# Altium PCB ControlBoard.PcbDoc (part 1 of 3) (continued)
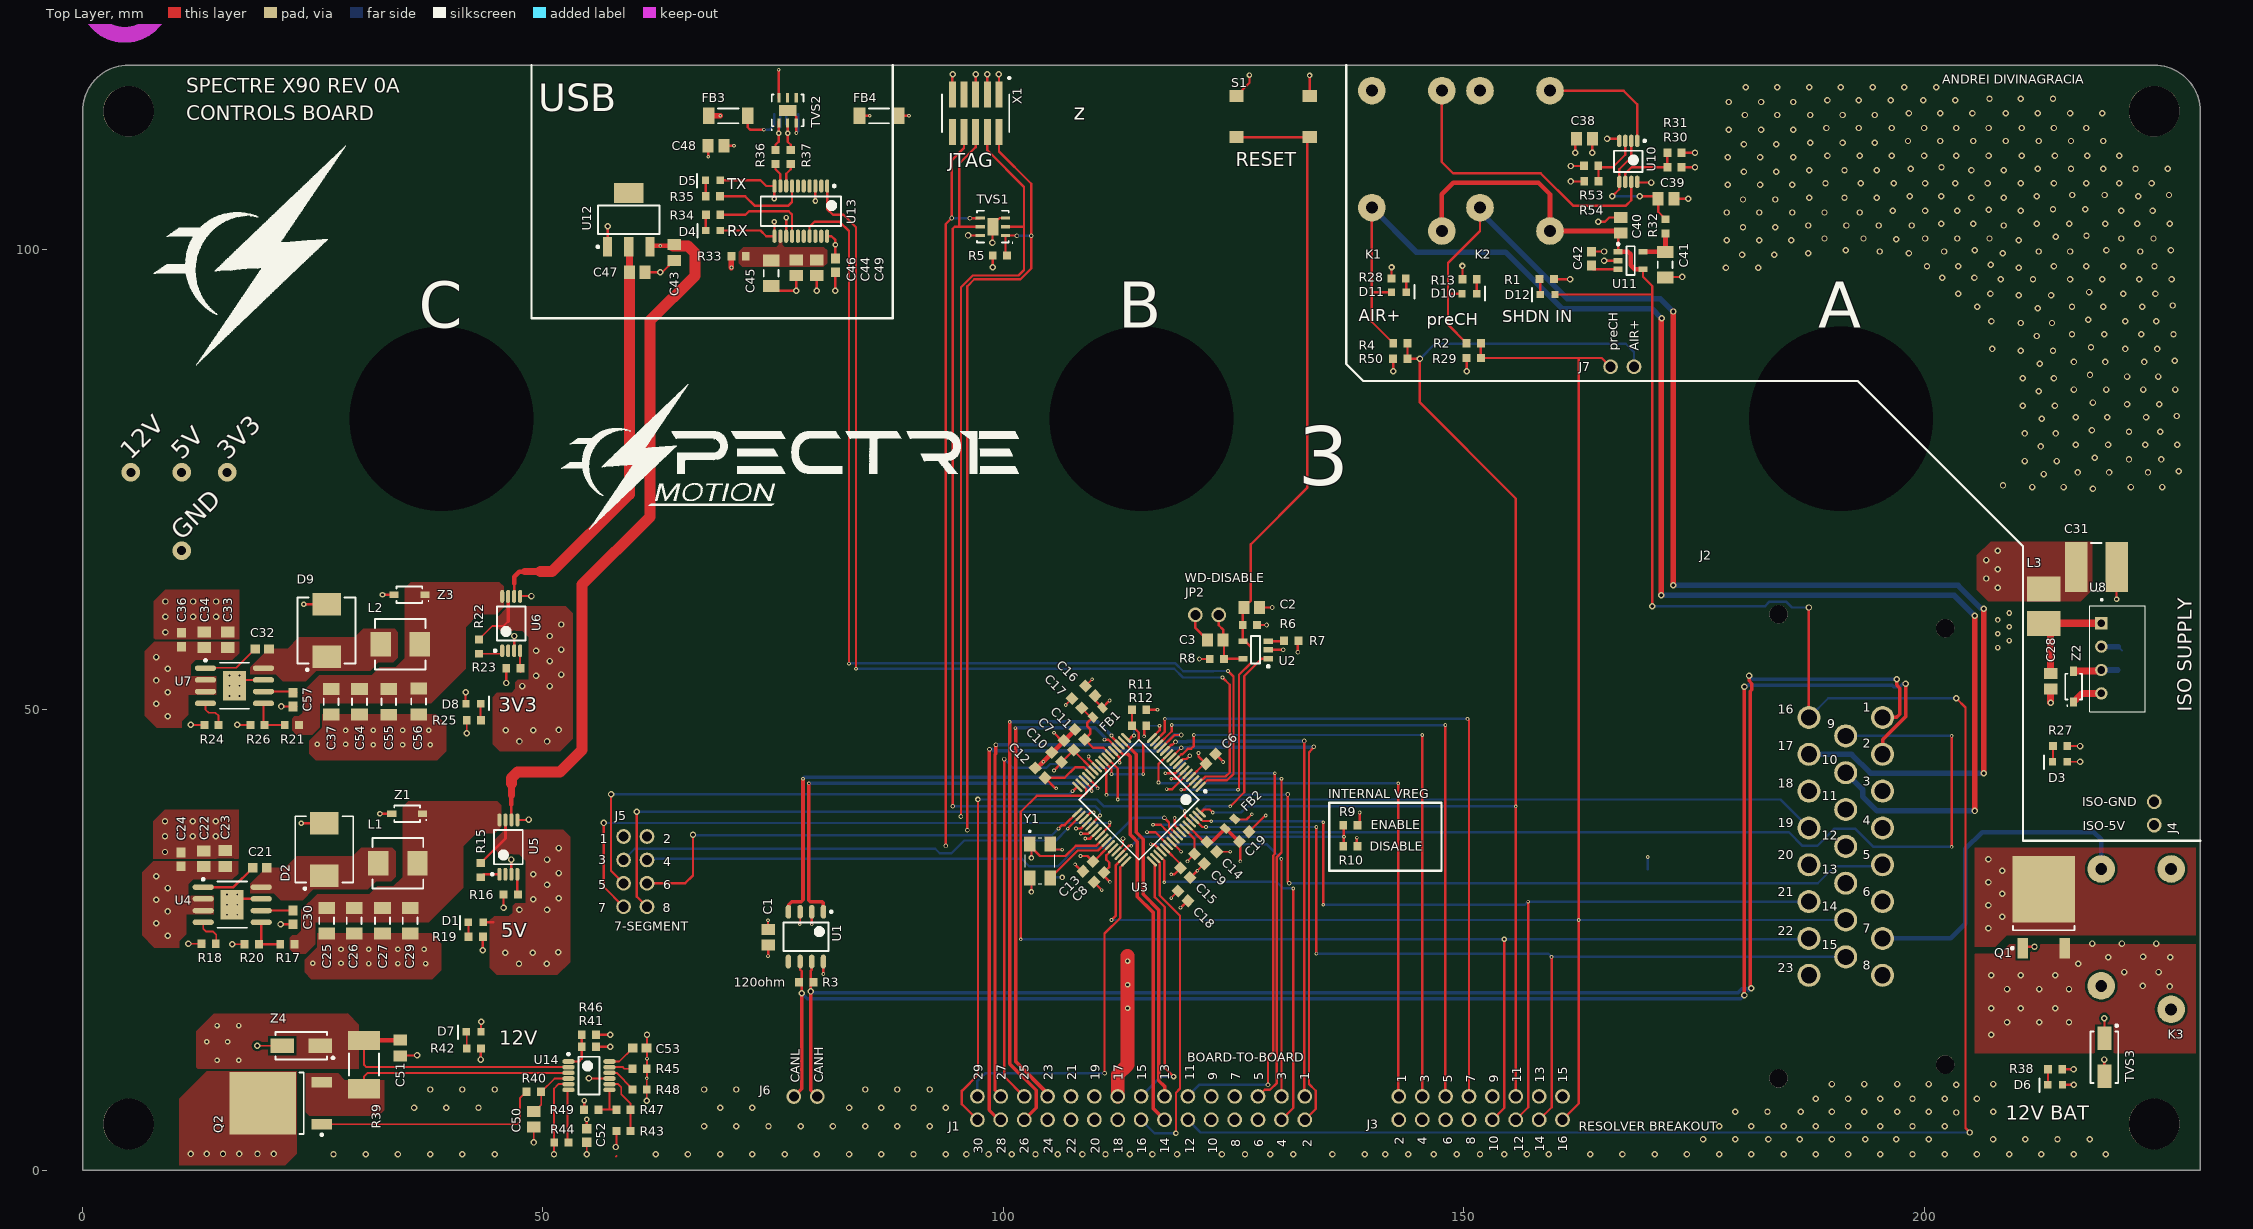
[diagram p0: Top Layer view]
## Components (designator, comment, footprint, x,y, rotation, side; value= is the part's Value field where it differs from the comment) (continued)
R10 "0R" RES-0603 137.7,35.162 r0 top
R11 "10K" RES-0603 114.75,50 r0 top
R12 "10K NTC" RES-0603 114.75,48.25 r180 top
R13 "2K2" RES-0603 150.645,96.744 r0 top
R14 "10K" RES-0603 170,31.895 r90 bottom
R15 "1K" RES-0603 43.25,32.57 r90 top
R16 "1K" RES-0603 46.5,29.92 r0 top
R17 "100K" RES-0603 22.25,24.522 r180 top
R18 "49K9" RES-0603 13.68,24.585 r0 top
R19 "1K" RES-0603 42.7,25.33 r180 top
R20 "17K8" RES-0603 18.375,24.522 r0 top
R21 "102K" RES-0603 22.725,48.326 r0 top
R22 "1K" RES-0603 43.049,56.85 r90 top
R23 "1K" RES-0603 46.799,54.5 r0 top
R24 "49K9" RES-0603 14,48.342 r0 top
R25 "1K" RES-0603 42.5,48.85 r0 top
R26 "30K" RES-0603 19,48.342 r0 top
R27 "1K" RES-0603 214.775,46.05 r180 top
R28 "2K2" RES-0603 142.945,96.838 r0 top
R29 "22.1K" RES-0603 151.1,88.2 r0 top
R30 "3K" RES-0603 172.904,108.925 r0 top
R31 "5K1" RES-0603 172.904,110.5 r180 top
R32 "499K" RES-0603 171.929,102.5 r90 top
R33 "0R" RES-0603 71.25,99.25 r180 top
R34 "270R" RES-0603 68.475,103.75 r180 top
R35 "270R" RES-0603 68.45,105.75 r180 top
R36 "27R" RES-0603 75.26,110.025 r270 top
R37 "27R" RES-0603 76.91,110.025 r270 top
R38 "2K2" RES-0603 214.246,10.95 r180 top
R39 "25mR" RES-2512 30.575,11.45 r270 top
R40 "10R" RES-0603 49,8.5 r180 top
R41 "62K" RES-0603 55,13.4 r0 top
R42 "2K2" RES-0603 42.5,13.205 r180 top
R43 "200K" RES-0603 58.75,4.25 r180 top
R44 "0R" RES-0603 52,3 r180 top
R45 "0R" RES-0603 60.5,11 r180 top
R46 "5K1" RES-0603 55,14.69 r0 top
R47 "7K5" RES-0603 58.75,6.54 r0 top
R48 "0R" RES-0603 60.5,8.75 r180 top
R49 "20K" RES-0603 55.25,6.54 r0 top
R50 "22.1K" RES-0603 143.118,88.1 r0 top
R53 "2K2" RES-0603 163.854,109.074 r180 top
R54 "5K1" RES-0603 163.879,107.4 r0 top
S1 "PTS645SM43SMTR92LFS" PUSH_BUTTON 129.297,114.428 r180 top
TVS1 "TVS-4-5.5V-Bi" TVS-DRS-TP-5 98.875,102.457 r180 top
TVS2 "TVS-4-5.5V-Bi" TVS-DRS-TP-5 76.575,115.1 r90 top
TVS3 "39V3" DO-214AC 219.594,12.242 r270 top
U1 "TCAN332DR" 8-SOIC_MCP2561 78.563,25.345 r270 top
U2 "STWD100PYW83F" SOT23-5-WATCHDOG 127.4,56.5 r180 top
U3 "TMS320F280049PMS" 64QFP 115,40 r180 top locked
U4 "LMR14050SSQDDARQ1" "8-SOIC W THRM" 16.25,28.82 r0 top
U5 "TPS2115APWR" 8-TSSOP-POW-SW 46.25,35.07 r90 top
U6 "TPS2115APWR" 8-TSSOP-POW-SW 46.549,59.35 r90 top
U7 "LMR14050SSQDDARQ1" "8-SOIC W THRM" 16.5,52.6 r0 top
U8 "ROE-0505S" ROE-0505S 221.012,55.54 r270 top
U10 "TLV3202AIDGK" 8VSSOP 167.879,109.55 r270 top
U11 "200mA" SOT-753-ldo 168.129,98.775 r0 top
U12 "AZ1117IH-3.3TRG1" SOT223 59.323,103.2 r90 top
U13 "768-1129-1-ND" SSOP-20 78.007,104.15 r270 top
U14 "LT4363CMS" SSOP12-UVOV 55,10.25 r0 top
X1 "FTSH-105-01-F-DV-K" JTAG_50mil_10pin 99.54,116.81 r0 top
X2 "10118192-0001LF" USB_MICRO 76.425,114.675 r0 bottom
Y1 "ECS-200-18-30B-AGN-TR" XTAL-SMD-4 104,33.571 r270 top
Z1 "5V1" SOD-123 35.25,38.7 r180 top
Z2 "5V1" SOD-123 216.25,52.51 r90 top
Z3 "5V1" SOD-123 35.5,62.48 r180 top
Z4 "15V" DO-214AC 23.75,13.5 r180 top

## Footprints (in the part's own frame and the unit in brackets; to place one, negate y for a bottom-side part, rotate by r counter-clockwise, add the part's x,y. Pads: shape width x height; smd on the part's side, far side on the other; paste and mask are expansions set on the pad)
2PIN_HEADER [mm]
  round 1.6 hole 1.1: 1(0,0) 2(2.54,0)
  body extent -1.27,-1.27 3.81,1.27, height 9.5
"8-SOIC W THRM" [mm] "SOIC, 8-Leads, Body 4.90x3.90mm, Pitch 1.27mm, Thermal Pad 3.20x2.50mm, IPC Medium Density"
  oval 2.3x0.6 smd: 1(-3.15,1.905) 2(-3.15,0.635) 3(-3.15,-0.635) 4(-3.15,-1.905) 5(3.15,-1.905) 6(3.15,-0.635) 7(3.15,0.635) 8(3.15,1.905)
  rect 2.5x3.2 smd: 9(0,0)
  silkscreen extent -3.27,-2.5 1.6,2.88, body extent -3.42,-2.5 3.42,2.5, height 1.95
8-SOIC_MCP2561 [mm] "SOIC, 8-Leads, Body 4.90x3.90mm, Pitch 1.27mm, IPC Medium Density"
  oval 1.5x0.6 smd: 1(-2.7,1.905) 2(-2.7,0.635) 3(-2.7,-0.635) 4(-2.7,-1.905) 5(2.7,-1.905) 6(2.7,-0.635) 7(2.7,0.635) 8(2.7,1.905)
  silkscreen extent -2.82,-2.45 1.55,2.88, body extent -3,-2.45 3,2.45, height 1.75
8-TSSOP-POW-SW [mm] "TSOP, 8-Leads, Body 3.00x4.40mm, Pitch 0.65mm, IPC Medium Density"
  oval 1.4x0.45 smd: 1(-2.95,0.975) 2(-2.95,0.325) 3(-2.95,-0.325) 4(-2.95,-0.975) 5(2.95,-0.975) 6(2.95,-0.325) 7(2.95,0.325) 8(2.95,0.975)
  silkscreen extent -3.07,-1.55 1.85,1.87, body extent -3.2,-1.55 3.2,1.55, height 1.2
8VSSOP [mm] "TSOP, 8-Leads, Body 3.00x3.00mm, Pitch 0.65mm, IPC Medium Density"
  oval 1.35x0.5 smd: 1(-2.225,0.975) 2(-2.225,0.325) 3(-2.225,-0.325) 4(-2.225,-0.975) 5(2.225,-0.975) 6(2.225,-0.325) 7(2.225,0.325) 8(2.225,0.975)
  silkscreen extent -2.35,-1.55 1.15,1.9, body extent -2.45,-1.55 2.45,1.55, height 1.1
16PIN_HEADER [mm]
  round 1.6 hole 1.1: 1(0,0) 2(0,-2.54) 3(2.54,0) 4(2.54,-2.54) 5(5.08,0) 6(5.08,-2.54) 7(7.62,0) 8(7.62,-2.54) 9(10.16,0) 10(10.16,-2.54) 11(12.7,0) 12(12.7,-2.54) 13(15.24,0) 14(15.24,-2.54) 15(17.78,0) 16(17.78,-2.54)
  body extent -1.27,-3.81 19.05,1.27, height 9.5
64QFP [mm] "TSQFP, 64-Leads, Body 10.00x10.00mm, Pitch 0.50mm, IPC Medium Density"
  oval 0.3x1.45 smd rot 135: 1(-6.441,-1.621) 2(-6.088,-1.974) 3(-5.734,-2.328) 4(-5.381,-2.681) 5(-5.027,-3.035) 6(-4.673,-3.389) 7(-4.32,-3.742) 8(-3.966,-4.096) 9(-3.613,-4.449) 10(-3.259,-4.803) 11(-2.906,-5.156) 12(-2.552,-5.51) 13(-2.199,-5.863) 14(-1.845,-6.217) 15(-1.492,-6.571) 16(-1.138,-6.924) 33(6.958,1.172) 34(6.605,1.526) 35(6.251,1.879) 36(5.898,2.233) 37(5.544,2.586) 38(5.191,2.94) 39(4.837,3.294) 40(4.484,3.647) 41(4.13,4.001) 42(3.776,4.354) 43(3.423,4.708) 44(3.069,5.061) 45(2.716,5.415) 46(2.362,5.768) 47(2.009,6.122) 48(1.655,6.476)
  oval 0.3x1.45 smd rot 45: 17(1.655,-6.924) 18(2.009,-6.571) 19(2.362,-6.217) 20(2.716,-5.863) 21(3.069,-5.51) 22(3.423,-5.156) 23(3.776,-4.803) 24(4.13,-4.449) 25(4.484,-4.096) 26(4.837,-3.742) 27(5.191,-3.389) 28(5.544,-3.035) 29(5.898,-2.681) 30(6.251,-2.328) 31(6.605,-1.974) 32(6.958,-1.621) 49(-1.138,6.476) 50(-1.492,6.122) 51(-1.845,5.768) 52(-2.199,5.415) 53(-2.552,5.061) 54(-2.906,4.708) 55(-3.259,4.354) 56(-3.613,4.001) 57(-3.966,3.647) 58(-4.32,3.294) 59(-4.673,2.94) 60(-5.027,2.586) 61(-5.381,2.233) 62(-5.734,1.879) 63(-6.088,1.526) 64(-6.441,1.172)
  silkscreen extent -7.06,-6.73 6.76,6.28, body extent -8.23,-8.71 8.74,8.26, height 1.6
CAP-0603 [mm] "Chip Capacitor, 2-Leads, Body 1.60x0.80mm, IPC Medium Density"
  rect 1.05x1 smd: 1(-0.75,0) 2(0.75,0)
  body extent -0.87,-0.48 0.87,0.48, height 0.9
CAP-0805 [mm] "Chip Capacitor, 2-Leads, Body 2.00x1.25mm, IPC Medium Density"
  rect 1.2x1.45 smd: 1(-0.85,0) 2(0.85,0)
  body extent -1.1,-0.72 1.1,0.72, height 1.35
CAP-1206 [mm] "Chip Capacitor, 2-Leads, Body 3.20x1.60mm, IPC Medium Density"
  rect 1.3x1.8 smd: 1(-1.4,0) 2(1.4,0)
  silkscreen extent -0.35,-0.8 0.35,0.8, body extent -1.7,-0.9 1.7,0.9, height 1.7
CAP-2220 [mm] "Chip Capacitor, 2-Leads, Body 5.70x5.00mm, IPC Medium Density"
  rect 2.45x5.4 smd: 1(-2.2,0) 2(2.2,0)
  silkscreen extent -0.6,-2.6 0.6,2.6, body extent -3.05,-2.7 3.05,2.7, height 3.1
"Conn 23POS" [mm]
  round 2 hole 2 unplated: 0(-11.2,-11.3) 0(-9.7,6.8) 0(37.7,6.8) 0(39.2,-11.3)
  round 2.5 hole 1.75: 1(0,0) 2(4,0) 3(8,0) 4(12,0) 5(16,0) 6(20,0) 7(24,0) 8(28,0) 9(2,-4) 10(6,-4) 11(10,-4) 12(14,-4) 13(18,-4) 14(22,-4) 15(26,-4) 16(0,-8) 17(4,-8) 18(8,-8) 19(12,-8) 20(16,-8) 21(20,-8) 22(24,-8) 23(28,-8)
  body extent -16.4,-20.05 44.4,12.05, height 34
CONN-2POS-LONG-M [mm]
  round 1.6 hole 1.1 unplated: 1(0,0) 2(2.54,0)
  body extent -1.51,-1.33 3.95,1.21, height 7.64
CONN-8PIN [mm]
  round 1.6 hole 1.1 unplated: 1(0,0) 2(2.54,0) 3(5.08,0) 4(7.62,0) 5(7.62,2.54) 6(5.08,2.54) 7(2.54,2.54) 8(0,2.54)
  body extent -1.08,-1.14 8.68,3.74, height 10.38
CONN_30POS_M [mm]
  round 1.6 hole 1.1: 1(0,0) 2(0,2.54) 3(2.54,0) 4(2.54,2.54) 5(5.08,0) 6(5.08,2.54) 7(7.62,0) 8(7.62,2.54) 9(10.16,0) 10(10.16,2.54) 11(12.7,0) 12(12.7,2.54) 13(15.24,0) 14(15.24,2.54) 15(17.78,0) 16(17.78,2.54) 17(20.32,0) 18(20.32,2.54) 19(22.86,0) 20(22.86,2.54) 21(25.4,0) 22(25.4,2.54) 23(27.94,0) 24(27.94,2.54) 25(30.48,0) 26(30.48,2.54) 27(33.02,0) 28(33.02,2.54) 29(35.56,0) 30(35.56,2.54)
  body extent -1.25,-1.48 36.85,3.98, height 7.54
"DO-214AB, SMC" [mm] "Molded Diode, 2-Leads, Body 6.86x5.91mm, IPC Medium Density"
  rect 2.45x3.1 smd: 1(-2.85,0) 2(2.85,0)
  silkscreen extent -4.37,-3.15 3.6,3.15, body extent -3.55,-3.11 3.56,3.11, height 2.5
DO-214AC [mm] "Molded Diode, 2-Leads, Body 5.24x2.61mm, IPC Medium Density"
  rect 2.55x1.55 smd: 1(-2.05,0) 2(2.05,0)
  silkscreen extent -3.57,-1.5 2.8,1.5, body extent -3.02,-1.46 3.02,1.46, height 2.2
FB-0805 [mm] "Chip Resistor, 2-Leads, Body 2.00x1.25mm, IPC Medium Density"
  rect 0.75x1 smd: 1(-0.725,0) 2(0.725,0)
  body extent -1.1,-0.72 1.1,0.72, height 1.05
FB-1806 [mm] "Chip Inductor, 2-Leads, Body 4.50x1.60mm, IPC Medium Density"
  rect 1.27x1.82 smd: 1(-2.12,0) 2(2.12,0)
  silkscreen extent -1.1,-0.81 1.1,0.81, body extent -2.4,-0.9 2.4,0.9, height 1.3
IND-4532 [mm] "Precision Wire Wound Inductor, 2-Leads, Body 5.05x3.50mm, IPC Medium Density"
  rect 2.7x3.6 smd: 1(-1.875,0) 2(1.875,0)
  body extent -2.63,-1.75 2.63,1.75, height 2.7
INDM5252X30N [mm] "Molded Inductor, 2-Leads, Body 5.19x5.19mm, IPC Medium Density"
  rect 2.2x2.7 smd: 1(-2.125,0) 2(2.125,0)
  silkscreen extent -2.75,-2.75 2.75,2.75, body extent -2.94,-2.72 2.94,2.72, height 3
JTAG_50mil_10pin [mil]
  rect 30x110 smd: 1(0,0) 2(0,-159.84) 3(-50,0) 4(-50,-159.84) 5(-100,0) 6(-100,-159.84) 7(-150,0) 8(-150,-159.84) 9(-200,0) 10(-200,-159.84)
  silkscreen extent -243,-161 47,75, body extent -223,-194 27,36, height 241
LED-0603 [mm]
  rect 0.8x0.8 smd: 1(2,0.8) 2(0.4,0.8)
  silkscreen extent -0.5,0 -0.5,1.5, body extent 0.4,0.4 2,1.2, height 0.7
PUSH_BUTTON [mm]
  rect 1.55x1.3 smd: 1(-3.975,2.25) 1(3.975,2.25) 2(-3.975,-2.25) 2(3.975,-2.25)
  body extent -4.5,-3 4.5,3, height 4.3
Relay [mm]
  round 3 hole 1.3 unplated: 1(0,0) 2(7.6,0) 3(0,15.24) 4(7.6,12.7)
  body extent -1.3,-1.2 8.9,17, height 14.9
RES-0603 [mm] "Chip Resistor, 2-Leads, Body 1.60x0.80mm, IPC Medium Density"
  rect 0.85x0.9 smd: 1(-0.775,0) 2(0.775,0)
  body extent -0.85,-0.45 0.85,0.45, height 0.55
RES-2512 [mm] "Chip Resistor, 2-Leads, Body 6.55x3.18mm, IPC Medium Density"
  rect 2.1x3.45 smd: 1(-2.625,0) 2(2.625,0)
  silkscreen extent -1.2,-1.63 1.2,1.63, body extent -3.3,-1.72 3.3,1.72, height 1
ROE-0505S [mm]
  rect 1.338x1.338 hole 0.83: 1(-3.85,-1.75)
  round 1.338 hole 0.83: 2(-1.31,-1.75) 3(1.23,-1.75) 4(3.77,-1.75)
  silkscreen extent -6.49,-3 5.75,3, body extent -5.72,-3 5.78,3, height 10
SOD-123 [mm] "SODFL, 2-Leads, Body 1.60x3.71mm, IPC Medium Density"
  rect 1x0.75 smd: 1(-1.675,0) 2(1.675,0)
  silkscreen extent -2.12,-0.9 1.4,0.9, body extent -1.86,-0.9 1.86,0.9, height 1.35
SOT23-5-WATCHDOG [mm] "SOT23, 5-Leads, Body 2.90x2.80mm, Pitch 0.95mm, IPC Medium Density"
  rect 1x0.6 smd: 1(-1.375,0.95) 2(-1.375,0) 3(-1.375,-0.95) 4(1.375,-0.95) 5(1.375,0.95)
  silkscreen extent -1.5,-1.5 0.5,1.92, body extent -1.6,-1.5 1.6,1.5, height 1.45
SOT223 [mm] "SOT223, 4-Leads, Body 6.50x7.00mm (avg), Pitch 2.30mm, IPC Medium Density"
  rect 2.15x1 smd: 1(-2.925,2.3) 2(-2.925,0) 3(-2.925,-2.3)
  rect 2.15x3.25 smd: 4(2.925,0)
  silkscreen extent -3.05,-3.35 1.55,3.47, body extent -3.5,-3.35 3.5,3.35, height 1.8
SOT-753-ldo [mm] "SOT23, 5-Leads, Body 2.90x2.75mm, Pitch 0.95mm, IPC Medium Density"
  rect 1x0.6 smd: 1(-1.35,0.95) 2(-1.35,0) 3(-1.35,-0.95) 4(1.35,-0.95) 5(1.35,0.95)
  silkscreen extent -1.47,-1.55 0.45,1.92, body extent -1.5,-1.55 1.5,1.55, height 1.3
SSOP12-UVOV [mm] "TSSOP, 12-Leads, Body 4.04x3.00mm, Pitch 0.62mm, IPC Medium Density"
  oval 1.35x0.5 smd: 1(-2.225,1.538) 2(-2.225,0.923) 3(-2.225,0.308) 4(-2.225,-0.308) 5(-2.225,-0.923) 6(-2.225,-1.538) 7(2.225,-1.538) 8(2.225,-0.923) 9(2.225,-0.308) 10(2.225,0.308) 11(2.225,0.923) 12(2.225,1.538)
  silkscreen extent -2.35,-2.05 1.15,2.46, body extent -2.45,-2.05 2.45,2.05, height 1.1
SSOP-20 [mm] "SOP, 20-Leads, Body 8.65x3.90mm, Pitch 0.64mm, IPC Medium Density"
  oval 1.45x0.45 smd: 1(-2.725,2.857) 2(-2.725,2.222) 3(-2.725,1.587) 4(-2.725,0.952) 5(-2.725,0.317) 6(-2.725,-0.318) 7(-2.725,-0.953) 8(-2.725,-1.588) 9(-2.725,-2.223) 10(-2.725,-2.858) 11(2.725,-2.857) 12(2.725,-2.222) 13(2.725,-1.587) 14(2.725,-0.952) 15(2.725,-0.317) 16(2.725,0.318) 17(2.725,0.953) 18(2.725,1.588) 19(2.725,2.223) 20(2.725,2.858)
  silkscreen extent -2.85,-4.35 1.6,4.35, body extent -3,-4.35 3,4.35, height 1.75
TO-252-3 [mm] "D-PAK, 3-Pads, Body 6.20x6.71mm (max), IPC Medium Density"
  rect 2.2x1.15 smd: 1(-4.45,2.28) 3(-4.45,-2.28)
  rect 7.2x6.8 smd: 2(1.95,0)
  silkscreen extent -4.57,-3.35 -2.05,3.53, body extent -4.42,-3.35 5.49,3.35, height 2.39
TVS-DRS-TP-5 [mm] "SON, 6-Leads, Body 3.00x3.00mm, Pitch 0.95mm, Thermal Pad 1.90x1.20mm, IPC Medium Density"
  rect 1x0.35 smd: 1(-1.37,0.95) 2(-1.37,0) 3(-1.37,-0.95) 4(1.37,-0.95) 5(1.37,0) 6(1.37,0.95)
  rect 1.2x1.9 smd: 7(0,0)
  silkscreen extent -2.17,-1.73 1.73,1.77, body extent -1.66,-1.58 1.66,1.58, height 0.8
USB_MICRO [mm]
  rect 0.4x1.35 smd: 1(-1.3,0) 3(0,0) 4(0.65,0) 5(1.3,0)
  rect 0.4x1.355 smd: 2(-0.65,0)
  rect 1.8x1.9 smd: ""(-3.8,-2.675) ""(3.8,-2.675)
  rect 2.1x1.6 smd: ""(-3.1,-0.125) ""(3.1,-0.125)
  rect 1.9x1.9 smd: ""(-1.2,-2.675) ""(1.2,-2.675)
  silkscreen extent -5.53,-4.15 5.52,1.22, body extent -3.96,-5.31 3.96,0.35, height 2.74
XTAL-SMD-4 [mm]
  rect 1.6x1.25 smd: 1(-1.85,-1.1) 2(1.85,-1.1) 3(1.85,1.1) 4(-1.85,1.1)
  silkscreen extent -3.31,-1.6 2.5,1.6

## Part data
C1 C2 C3 C38 C44 C46: library part 0805-0.1uF-50V, "CAP CER 0.1UF 50V Y5V 0805", Capacitance=100nF, Case/Package=0805, Case Code (Metric)=2012, Dielectric=Y5V, Dielectric Material=Ceramic, Manufacturer=KEMET, Manufacturer Part Number=C0805C104Z5VACTU, Max Operating Temperature=85°C, Min Operating Temperature=-30°C, Package Quantity=1, Supplier Part Number 1=399-1177-6-ND, Tolerance=80%, Voltage=50V, Case Code (Imperial)=0805, ComponentLink1Description=http://www.alliedelec.com/m/d/9bfe7773041ffe9d406e68bc7b377fdd.pdf?src-supplier=Allied+Electronics, ComponentLink1URL=http://www.alliedelec.com/m/d/9bfe7773041ffe9d406e68bc7b377fdd.pdf?src-supplier=Allied+Electronics, ComponentLink2Description=https://www.verical.com/server-webapp/html/getDatasheet?partID=37101&src-supplier=Verical, ComponentLink2URL=https://www.verical.com/server-webapp/html/getDatasheet?partID=37101&src-supplier=Verical, ComponentLink3Description=https://www.verical.com/server-webapp/html/getDatasheet?partID=321176&src-supplier=Verical, ComponentLink3URL=https://www.verical.com/server-webapp/html/getDatasheet?partID=321176&src-supplier=Verical, ComponentLink4Description=http://www.farnell.com/datasheets/2123124.pdf?src-supplier=Element14, ComponentLink4URL=http://www.farnell.com/datasheets/2123124.pdf?src-supplier=Element14, Depth=1.25mm, Dissipation Factor=5%, Height=0.9mm, Lead Free="Lead Free", Lead Pitch=0.75mm, Length=2mm, Mount="Surface Mount,PCB", Number of Pins=2, Packaging="Tape and Reel", Pricing 1="1=0.1, 10=0.057, 100=0.0254, 500=0.01818, 1000=0.01428 (USD)", Radiation Hardening=No, REACH SVHC="No SVHC", Stock 1=929243, Supplier 1=Digi-Key, Termination=SMD/SMT, Thickness=0.039inch, Voltage Rating=50V, Voltage Rating (DC)=50V, Width=0.049inch
C4 C5: library part 0603-15pF, "CAP CER 15PF 50V C0G/NPO 0603", Case/Package=0603, Case Code (Metric)=1608, Dielectric=C0G, Dielectric Material=Ceramic, Insulation Resistance=100GR, Manufacturer=Yageo, Manufacturer Part Number=CC0603JRNPO9BN150, Max Operating Temperature=125°C, Min Operating Temperature=-55°C, Package Quantity=1, Supplier Part Number 1=311-1060-1-ND, Tolerance=5%, Voltage Rating=50V, Capacitance=15pF, Case Code (Imperial)=0603, ComponentLink1Description=http://www.farnell.com/datasheets/1443161.pdf?src-supplier=Element14, ComponentLink1URL=http://www.farnell.com/datasheets/1443161.pdf?src-supplier=Element14, ComponentLink2Description=http://www.yageo.com/documents/recent/UPY-GP_NP0_16V-to-50V_16.pdf?src-supplier=Digi-Key, ComponentLink2URL=http://www.yageo.com/documents/recent/UPY-GP_NP0_16V-to-50V_16.pdf?src-supplier=Digi-Key, ComponentLink3Description=http://www.farnell.com/datasheets/2213336.pdf?src-supplier=Element14, ComponentLink3URL=http://www.farnell.com/datasheets/2213336.pdf?src-supplier=Element14, ComponentLink4Description=http://www.yageo.com/documents/recent/UPY-GP_NP0_16V-to-50V_8.pdf?src-supplier=Avnet, ComponentLink4URL=http://www.yageo.com/documents/recent/UPY-GP_NP0_16V-to-50V_8.pdf?src-supplier=Avnet, ComponentLink5Description=http://www.yageo.com/documents/recent/UPY-GP_NP0_16V-to-50V_8.pdf?src-supplier=Avnet+Europe, ComponentLink5URL=http://www.yageo.com/documents/recent/UPY-GP_NP0_16V-to-50V_8.pdf?src-supplier=Avnet+Europe, Depth=0.8mm, Height=0.8mm, Lead Free="Lead Free", Length=1.6mm, Mount="Surface Mount", Number of Pins=2, Packaging="Tape and Reel", Pricing 1="1=0.1, 10=0.046, 50=0.025, 100=0.0203, 500=0.01454, 1000=0.01142 (USD)", Radiation Hardening=No, REACH SVHC="No SVHC", RoHS Compliant=Yes, Series=CC, Stock 1=209662, Supplier 1=Digi-Key, Termination=SMD/SMT, Thickness=0.035inch, Width=0.031inch
C6 C7 C8 C9 C10 C11 C12 C13 C14 C15: "CAP CER 0.1UF 50V X7R 0603", Capacitance=0.1uF, Manufacturer="Kyocera AVX", Manufacturer Part Number=06035C104JAT4A, Supplier Part Number 1=478-12459-1-ND, Voltage Rating=50V, ComponentLink1Description=http://datasheets.avx.com/X7RDielectric.pdf?src-supplier=Digi-Key, ComponentLink1URL=http://datasheets.avx.com/X7RDielectric.pdf?src-supplier=Digi-Key, Pricing 1="1=0.1, 10=0.07, 50=0.0382, 100=0.0313, 500=0.02234, 1000=0.01755, 2500=0.01596, 5000=0.01468 (USD)", RoHS Compliant=Yes, Stock 1=71529, Supplier 1=Digi-Key
C16 C17 C18 C19: "CAP CER 10UF 35V X5R 0603", Capacitance=10uF, Case/Package=0603, Case Code (Metric)=1608, Dielectric=X5R, Manufacturer=Murata, Manufacturer Part Number=GRM188R6YA106MA73D, Max Operating Temperature=85°C, Min Operating Temperature=-55°C, Supplier Part Number 1=490-13248-1-ND, Tolerance=20%, Voltage Rating=35V, Case Code (Imperial)=0603, ComponentLink1Description=http://search.murata.co.jp/Ceramy/image/img/A01X/G101/ENG/GRM188R6YA106MA73-01.pdf?src-supplier=Future+Electronics, ComponentLink1URL=http://search.murata.co.jp/Ceramy/image/img/A01X/G101/ENG/GRM188R6YA106MA73-01.pdf?src-supplier=Future+Electronics, ComponentLink2Description=http://search.murata.co.jp/Ceramy/image/img/A01X/G101/ENG/GRM188R6YA106MA73-01.pdf?src-supplier=Digi-Key, ComponentLink2URL=http://search.murata.co.jp/Ceramy/image/img/A01X/G101/ENG/GRM188R6YA106MA73-01.pdf?src-supplier=Digi-Key, ComponentLink3Description=https://www.murata.com/~/media/webrenewal/support/library/catalog/products/capacitor/mlcc/c02e.ashx?la=en-us&src-supplier=Digi-Key, ComponentLink3URL=https://www.murata.com/~/media/webrenewal/support/library/catalog/products/capacitor/mlcc/c02e.ashx?la=en-us&src-supplier=Digi-Key, ComponentLink4Description=http://search.murata.co.jp/Ceramy/image/img/A01X/G101/ENG/GRM188R6YA106MA73-01.pdf?src-supplier=Mouser, ComponentLink4URL=http://search.murata.co.jp/Ceramy/image/img/A01X/G101/ENG/GRM188R6YA106MA73-01.pdf?src-supplier=Mouser, ComponentLink5Description=http://search.murata.co.jp/Ceramy/image/img/A01X/G101/ENG/GRM188R6YA106MA73-01.pdf?src-supplier=TTI, ComponentLink5URL=http://search.murata.co.jp/Ceramy/image/img/A01X/G101/ENG/GRM188R6YA106MA73-01.pdf?src-supplier=TTI, Length=0.063inch, Mount="Surface Mount", Packaging="Tape and Reel", Pricing 1="1=0.45, 10=0.315, 50=0.2202, 100=0.1887, 500=0.14154, 1000=0.11952 (USD)", RoHS Compliant=Yes, Stock 1=133, Supplier 1=Digi-Key, Thickness=0.039inch, Voltage Rating (DC)=35V, Width=0.031inch
C20: "CAP CER 22UF 10V X5R 0603", Capacitance=22uF, Case/Package=0603, Case Code (Metric)=1608, Dielectric=X5R, Manufacturer=Murata, Manufacturer Part Number=GRM187R61A226ME15D, Max Operating Temperature=85°C, Min Operating Temperature=-55°C, Supplier Part Number 1=490-13243-1-ND, Tolerance=20%, Voltage Rating=10V, Case Code (Imperial)=0603, ComponentLink1Description=http://search.murata.co.jp/Ceramy/image/img/A01X/G101/ENG/GRM187R61A226ME15-01.pdf?src-supplier=Digi-Key, ComponentLink1URL=http://search.murata.co.jp/Ceramy/image/img/A01X/G101/ENG/GRM187R61A226ME15-01.pdf?src-supplier=Digi-Key, Length=0.063inch, Mount="Surface Mount", Packaging="Tape and Reel", Pricing 1="1=0.54, 10=0.381, 50=0.2884, 100=0.2512, 500=0.18608, 1000=0.15816 (USD)", RoHS Compliant=Yes, Stock 1=534733, Supplier 1=Digi-Key, Thickness=0.031inch, Voltage Rating (DC)=10V, Width=0.031inch
C21 C24 C32 C36 C49 C52 C53: library part 0603-0.1uF-50V, "CAP CER 0.1UF 50V X7R 0603", Capacitance=100nF, Case/Package=0603, Dielectric=X7R, Manufacturer=Samsung, Manufacturer Part Number=CL10B104KB8NNNL, Max Operating Temperature=125°C, Min Operating Temperature=-55°C, Package Quantity=15000, Supplier Part Number 1=1276-CL10B104KB8NNNLCT-ND, Tolerance=10%, Voltage Rating=50V, ComponentLink1Description=https://www.verical.com/server-webapp/html/getDatasheet?partID=357523&src-supplier=Verical, ComponentLink1URL=https://www.verical.com/server-webapp/html/getDatasheet?partID=357523&src-supplier=Verical, ComponentLink2Description=https://media.digikey.com/pdf/Data%20Sheets/Samsung%20PDFs/CL_Series_MLCC_ds.pdf?src-supplier=Digi-Key, ComponentLink2URL=https://media.digikey.com/pdf/Data%20Sheets/Samsung%20PDFs/CL_Series_MLCC_ds.pdf?src-supplier=Digi-Key, Construction=Flat, Depth=0.8mm, Height=0.8mm, Length=1.6mm, Mount="Surface Mount", Packaging="Tape and Reel", Pricing 1="1=0.1, 10=0.03, 50=0.0164, 100=0.0134, 500=0.00958, 1000=0.00753, 2500=0.00684, 5000=0.0063 (USD)", Radiation Hardening=No, RoHS Compliant=Yes, Series=CL, Stock 1=1355979, Supplier 1=Digi-Key, Thickness=0.035inch, Voltage Rating (DC)=50V, Width=0.031inch
C22 C23 C33 C34: "CAP CER 2.2UF 50V X5R 0805", Capacitance=2.2uF, Case/Package=0805, Case Code (Metric)=2012, Dielectric=X5R, Manufacturer=Samsung, Manufacturer Part Number=CL21A225KBFNNNE, Max Operating Temperature=85°C, Min Operating Temperature=-55°C, Supplier Part Number 1=1276-6702-1-ND, Tolerance=10%, Voltage Rating=50V, Case Code (Imperial)=0805, ComponentLink1Description=http://www.samsungsem.com/kr/support/product-search/mlcc/CL21A225KBFNNNE.jsp?src-supplier=Digi-Key, ComponentLink1URL=http://www.samsungsem.com/kr/support/product-search/mlcc/CL21A225KBFNNNE.jsp?src-supplier=Digi-Key, Length=0.079inch, Mount="Surface Mount", Packaging="Tape and Reel", Pricing 1="1=0.25, 10=0.173, 50=0.1154, 100=0.0981, 500=0.06928, 1000=0.06062 (USD)", Stock 1=30848, Supplier 1=Digi-Key, Thickness=0.053inch, Voltage Rating (DC)=50V, Width=0.049inch
C25 C26 C27 C29 C37 C54 C55 C56: library part 1206-47uF, "CAP CER 47UF 10V X5R 1206", Case/Package=1206, Case Code (Metric)=3216, Dielectric=X5R, Manufacturer=Samsung, Manufacturer Part Number=CL31A476MPHNNNE, Max Operating Temperature=85°C, Min Operating Temperature=-55°C, Package Quantity=1, Supplier Part Number 1=1276-3063-1-ND, Tolerance=20%, Voltage Rating=10V, Capacitance=47uF, Case Code (Imperial)=1206, ComponentLink1Description=https://media.digikey.com/pdf/Data%20Sheets/Samsung%20PDFs/CL_Series_MLCC_ds.pdf?src-supplier=Digi-Key, ComponentLink1URL=https://media.digikey.com/pdf/Data%20Sheets/Samsung%20PDFs/CL_Series_MLCC_ds.pdf?src-supplier=Digi-Key, ComponentLink2Description=https://www.verical.com/server-webapp/html/getDatasheet?partID=467074&src-supplier=Verical, ComponentLink2URL=https://www.verical.com/server-webapp/html/getDatasheet?partID=467074&src-supplier=Verical, ComponentLink3Description=https://produktinfo.conrad.com/datenblaetter/450000-474999/452069-da-01-en-VS_KONDENSATOR_1206.pdf?src-supplier=Conrad, ComponentLink3URL=https://produktinfo.conrad.com/datenblaetter/450000-474999/452069-da-01-en-VS_KONDENSATOR_1206.pdf?src-supplier=Conrad, Depth=1.6mm, Length=3.2mm, Material=Ceramic, Mount="Surface Mount", Packaging="Tape and Reel", Pricing 1="1=0.5, 10=0.35, 50=0.2646, 100=0.2305, 500=0.1707, 1000=0.1451 (USD)", Radiation Hardening=No, RoHS Compliant=Yes, Stock 1=88504, Supplier 1=Digi-Key, Thickness=0.071inch, Width=0.063inch
C28 C35: library part 0805-330pF-100V, "CAP CER 330PF 100V X7R 0805", Case/Package=0805, Case Code (Metric)=2012, Manufacturer="Wurth Electronics", Manufacturer Part Number=885012207113, Max Operating Temperature=125°C, Min Operating Temperature=-55°C, Supplier Part Number 1=732-12232-6-ND, Tolerance=10%, Voltage Rating=100V, Capacitance=330pF, Case Code (Imperial)=0805, ComponentLink1Description=https://katalog.we-online.de/pbs/datasheet/885012207113.pdf?src-supplier=Digi-Key, ComponentLink1URL=https://katalog.we-online.de/pbs/datasheet/885012207113.pdf?src-supplier=Digi-Key, Mount="Surface Mount", Packaging="Tape and Reel", Pricing 1="1=0.1, 10=0.049, 100=0.0441, 500=0.03904 (USD)", Stock 1=3105, Supplier 1=Digi-Key
C30 C57: library part 0603-4.7nF-100V, "CAP CER 4700PF 100V X7R 0603", Case/Package=0603, Case Code (Metric)=1608, Dielectric=X7R, Manufacturer=TDK, Manufacturer Part Number=CGA3E2X7R2A472K080AA, Max Operating Temperature=125°C, Min Operating Temperature=-55°C, Package Quantity=1, Ratings=AEC-Q200, Resistor Type=Ceramic, Supplier Part Number 1=445-5810-1-ND, Tolerance=10%, Voltage Rating=100V, Capacitance=4.7nF, Case Code (Imperial)=0603, ComponentLink1Description=http://www.farnell.com/datasheets/1807242.pdf?src-supplier=Element14, ComponentLink1URL=http://www.farnell.com/datasheets/1807242.pdf?src-supplier=Element14, ComponentLink2Description=http://www.mouser.com/ds/2/400/lcc_automotive_midvoltage_en-355485.pdf?src-supplier=Mouser, ComponentLink2URL=http://www.mouser.com/ds/2/400/lcc_automotive_midvoltage_en-355485.pdf?src-supplier=Mouser, Depth=0.8mm, Height=0.8mm, Length=1.6mm, Mount="Surface Mount", Packaging="Tape and Reel", Pricing 1="1=0.1, 10=0.067, 50=0.0364, 100=0.0296, 500=0.02118, 1000=0.01664 (USD)", REACH SVHC="No SVHC", RoHS Compliant=Yes, Series=CGA, Stock 1=106501, Supplier 1=Digi-Key, Termination=SMD/SMT, Thickness=0.035inch, Voltage Rating (DC)=100V, Weight=7.1E-05oz, Width=0.031inch